# Allegro board MinnowMax_RevA1.brd (continued)
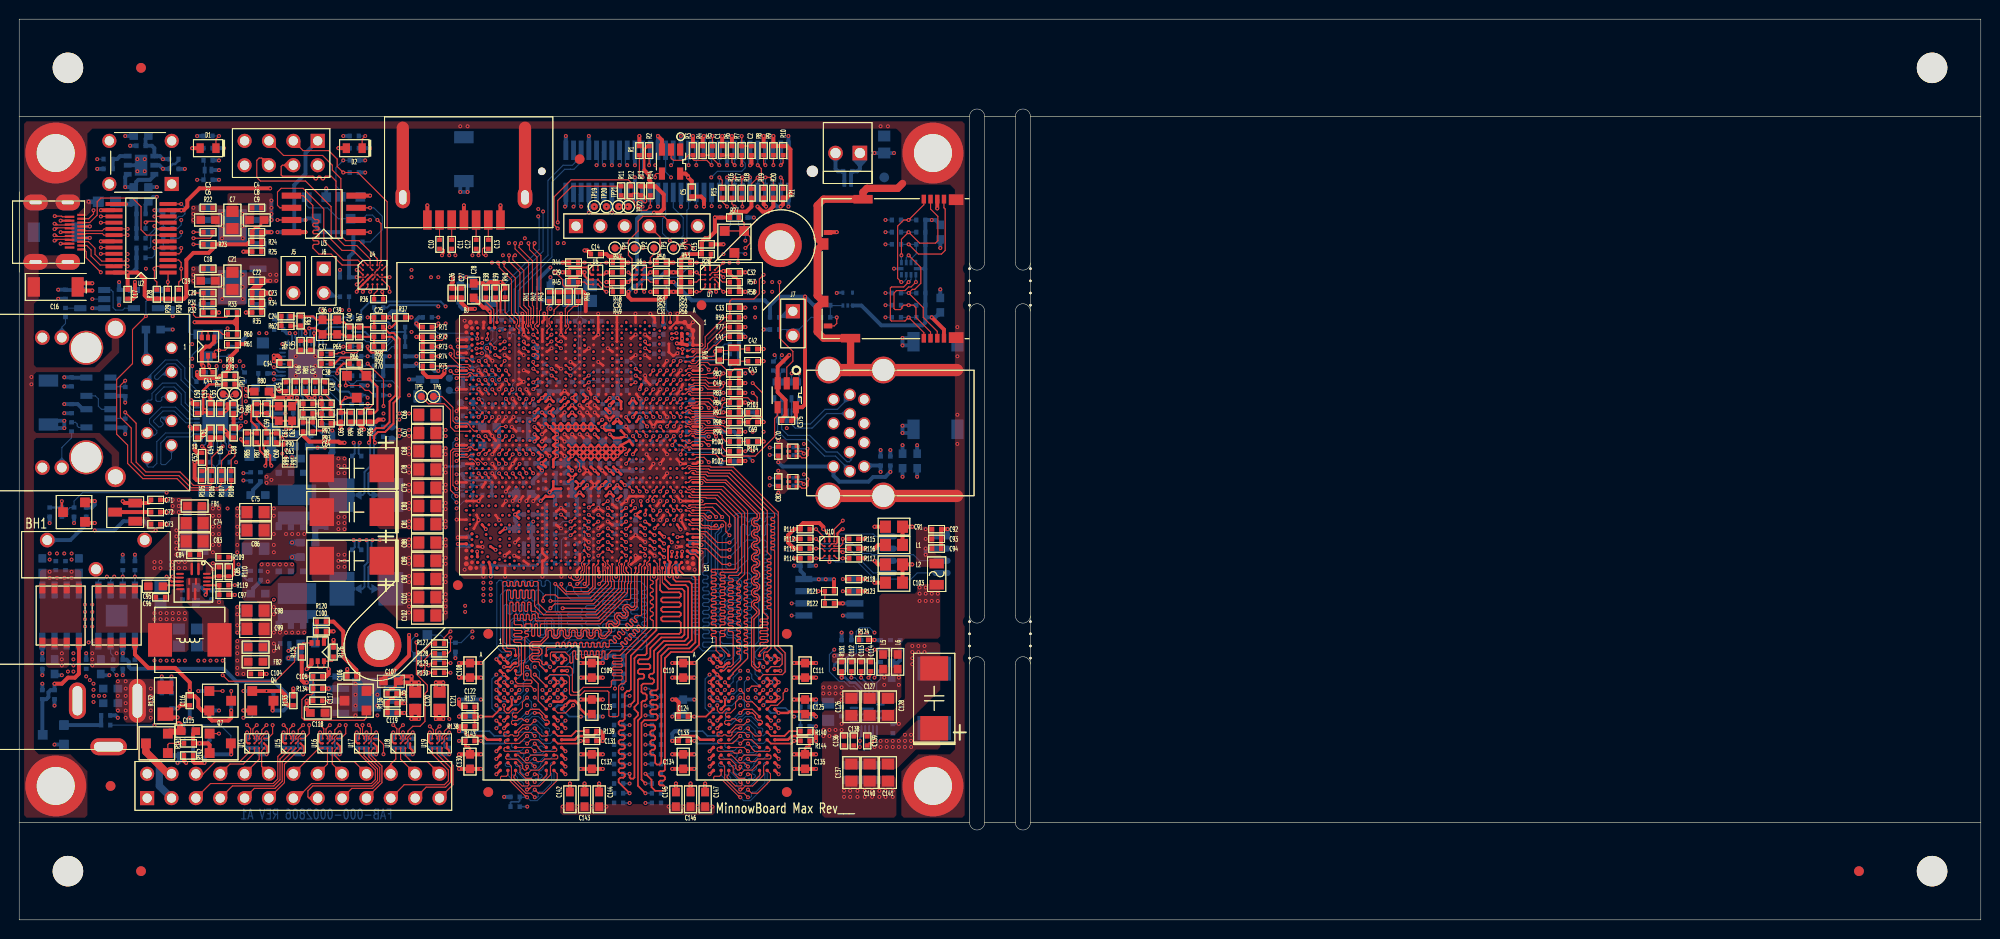
[diagram p0: board, top side]
## Routing (per net, layer and track width the routed paths; a pad name or vN(x,y) marks a point on that pad's centre or on a via; arc(x,y) is an arc through that point) (continued)
  GND2 w0.508: 15.25,60.32 J8.1 ; J8.1 16.5,59.06 ; J8.1 16.5,60.32 ; J8.1 15.25,59.06 ; 57.12,71.48 J4.1 ; J4.1 57.12,73.3 ; J4.1 58.95,71.48 ; J4.1 58.95,73.3 ; J5.2 29.27,64.71 ; J5.2 27.88,66.1 ; J5.2 27.88,64.71 ; J5.2 29.27,66.1 ; J1.2 31.81,79.44 ; J1.2 30.42,78.04 ; J1.2 30.42,79.44 ; J1.2 31.81,78.04 ; 3.13,61.47 2.41,60.76 3.13,60.04 ; J9.3 7.14,22.86 ; J9.3 6.07,24.94 ; J9.3 5,22.86 ; J9.3 6.07,20.78 ; BH1.3 8.72,37.29 ; BH1.3 7.29,35.86 ; BH1.3 7.29,37.29 ; 15.2,80.58 SW1.3 ; SW1.3 16.6,81.98 ; SW1.3 15.2,81.98 ; SW1.3 16.6,80.58 ; 84.37,80.73 J2.2 ; J2.2 85.81,79.29 ; J2.2 84.37,79.29 ; J2.2 85.81,80.73 ; 9.32,16.99 J9.2 ; J9.2 11.4,18.06 ; J9.2 7.24,18.06 ; J9.2 9.32,19.13 ; JP1.2 14.03,14.54 ; JP1.2 12.64,15.94 ; JP1.2 12.64,14.54 ; JP1.2 14.03,15.94 ; JP1.1 14.25,13.61 ; JP1.1 14.25,11.79 ; JP1.1 12.42,11.79 ; JP1.1 12.42,13.61 ; 8.7,80.58 SW1.4 ; SW1.4 10.1,81.98 ; SW1.4 10.1,80.58 ; SW1.4 8.7,81.98 ; 3.13,47.91 2.41,47.19 3.13,46.48
  INT3(V) w0.203: v1(32.38,63.63) 31.88,63.12 31.37,63.12 31.24,63.25 27.69,63.25 26.67,62.23 26.67,60.33 24.77,58.42 24.77,51.82 24.13,51.18 24.13,49.66 23.37,48.89 v1(23.37,46.61) ; v1(49.32,58.33) 48.93,58.73 48.45,58.73 48.4,58.67 48.11,58.67 48.05,58.73 47.16,58.73 46.61,59.28 46.61,61.59 44.45,63.75 v1(44.45,64.01)
  GND6 w0.508: J4.1 58.95,73.3 ; J4.1 57.12,71.48 ; J4.1 58.95,71.48 ; J4.1 57.12,73.3 ; J2.2 85.81,80.73 ; J2.2 84.37,80.73 ; J2.2 84.37,79.29 ; J2.2 85.81,79.29 ; J1.2 31.81,78.04 ; J1.2 31.81,79.44 ; J1.2 30.42,79.44 ; J1.2 30.42,78.04 ; SW1.3 16.6,81.98 ; SW1.3 15.2,80.58 ; SW1.3 16.6,80.58 ; SW1.3 15.2,81.98 ; 27.88,64.71 J5.2 ; J5.2 29.27,66.1 ; J5.2 27.88,66.1 ; J5.2 29.27,64.71 ; 8.7,80.58 SW1.4 ; SW1.4 10.1,80.58 ; SW1.4 10.1,81.98 ; SW1.4 8.7,81.98
  INT7(H) w0.203: v1(22.86,36.32) 23.75,37.21 23.75,43.94 20.82,46.88 20.82,49.77 21.21,50.17 22.1,50.17 22.73,50.8 24,50.8 25.02,51.82 34.16,51.82 36.2,53.85 v1(36.32,53.85)
  GND9 w0.508: BH1.3 8.72,37.29 ; BH1.3 7.29,37.29 ; BH1.3 7.29,35.86 ; J9.3 6.07,24.94 ; J9.3 6.07,20.78 ; J9.3 5,22.86 ; J9.3 7.14,22.86 ; J4.1 58.95,71.48 ; J4.1 57.12,73.3 ; J4.1 58.95,73.3 ; J4.1 57.12,71.48 ; 12.64,14.54 JP1.2 ; JP1.2 14.03,15.94 ; JP1.2 12.64,15.94 ; JP1.2 14.03,14.54 ; J5.2 29.27,66.1 ; J5.2 29.27,64.71 ; J5.2 27.88,64.71 ; J5.2 27.88,66.1 ; 30.42,78.04 J1.2 ; J1.2 31.81,78.04 ; J1.2 31.81,79.44 ; J1.2 30.42,79.44 ; 15.2,80.58 SW1.3 ; SW1.3 16.6,80.58 ; SW1.3 15.2,81.98 ; SW1.3 16.6,81.98 ; JP1.1 14.25,11.79 ; JP1.1 12.42,13.61 ; JP1.1 14.25,13.61 ; JP1.1 12.42,11.79 ; 3.13,60.04 2.41,60.76 3.13,61.47 ; J9.2 9.32,19.13 ; J9.2 9.32,16.99 ; J9.2 7.24,18.06 ; J9.2 11.4,18.06 ; J8.1 16.5,60.32 ; J8.1 16.5,59.06 ; J8.1 15.25,59.06 ; J8.1 15.25,60.32 ; 84.37,80.73 J2.2 ; J2.2 84.37,79.29 ; J2.2 85.81,80.73 ; J2.2 85.81,79.29 ; 3.13,46.48 2.41,47.19 3.13,47.91 ; SW1.4 10.1,81.98 ; SW1.4 8.7,81.98 ; SW1.4 10.1,80.58 ; SW1.4 8.7,80.58
  BOTTOM w0.152: MEM4.G8 MEM1.G1 ; MEM3.G8 MEM2.G1
  BOTTOM w0.203: R199.1 35.65,63.59 36.58,64.52 43.94,64.52 v1(44.45,64.01) ; v1(36.32,53.85) 36.32,53.09 36.1,52.87 R244.1 ; v1(23.37,46.61) 24.04,46.61 R272.1 ; R258.1 v1(45.59,49.53) ; v1(22.86,36.32) 23.72,35.47 R287.1 ; R202.1 32.38,62.96 v1(32.38,63.63) ; MEM3.B3 77.56,26.39 v1(77.57,26.39)
  BOTTOM w0.254: v1(91.69,20.45) 91.09,20.45 C342.1 ; MEM1.G9 v1(56.94,23.19) ; U23.4 85.26,65.45 v1(85.22,65.41) ; MEM1.P9 v1(56.94,16.79) ; MEM4.A9 50.14,27.59 v1(49.74,27.19) MEM1.B1 ; C133.2 68.74,18.83 69.09,19.18 70.61,19.18 71,18.79 MEM2.M1 ; C260.2 60.42,43.03 v1(60.36,42.98) ; MEM2.P9 78.77,17.19 v1(79.17,16.79) ; MEM2.E2 v1(72.76,24.79) MEM3.D8 ; MEM1.B9 v1(56.94,27.19) ; MEM3.D1 v1(78.37,24.79) ; v1(78.37,24.79) 78.76,24.39 MEM3.E1 ; v1(78.37,24.79) MEM2.E8 ; MEM1.T9 v1(56.94,15.19) ; v1(49.74,15.19) MEM1.T1 ; MEM4.F9 v1(49.74,23.19) MEM1.G1 ; R225.1 v1(38.61,55.75) ; MEM3.A9 72.36,27.59 v1(71.96,27.19) MEM2.B1 ; R238.2 70.99,50.93 71.12,51.05 v1(71.12,51.46) ; MEM1.J2 v1(50.54,20.79) ; v1(71.96,15.19) 72.36,15.59 MEM2.T1 ; MEM1.E2 v1(50.54,24.79) 50.94,25.19 MEM4.D8 ; U22.5 v1(91.19,67.94) ; MEM1.M9 57.91,18.79 58.29,19.18 59.82,19.18 60.16,18.83 C131.2 ; MEM1.J8 v1(56.14,20.79) ; v1(44.45,47.31) 46.07,47.31 R260.2 ; MEM2.B9 v1(79.17,27.19) ; v1(79.17,15.19) 78.77,15.59 MEM2.T9 ; MEM2.J8 v1(78.37,20.79) ; MEM2.P1 v1(71.96,16.79) ; MEM3.F9 71.97,23.19 v1(71.96,23.19) MEM2.G1 ; MEM1.M1 48.77,18.79 48.39,19.18 46.86,19.18 46.52,18.83 R333.1 ; v1(56.14,24.79) 56.54,24.39 MEM4.E1 ; v1(56.14,24.79) MEM4.D1 ; v1(56.14,24.79) MEM1.E8 ; v1(55.34,26.39) 55.34,26.39 MEM4.B3 ; MEM2.G9 v1(79.17,23.19) ; MEM2.J2 v1(72.76,20.79) ; v1(49.74,16.79) MEM1.P1 ; MEM2.M9 80.13,18.79 80.52,19.18 82.04,19.18 82.39,18.83 R326.1
  BOTTOM w0.381: C293.2 48.29,35.91 v1(48.39,35.81) ; C288.2 71.09,38.39 v1(71.12,38.35) ; C289.2 68.55,35.85 v1(68.58,35.81) ; C171.2 66.2,62.83 v1(65.79,63.25) ; C277.2 45.79,39.97 v1(45.72,39.9) ; v1(45.72,60.53) 45.86,60.67 C181.2
  BOTTOM w0.406: v1(64.25,40.13) 64.26,40.14 C271.1 ; J10.60 v1(80.18,81.79) ; U33.4 v1(85.85,31.75) ; C242.1 57.02,47.62 57.02,48.22 v1(56.85,48.39) ; C146.2 v1(69.98,14.22) ; C239.1 60.55,47.1 v1(60.77,46.88) ; C213.1 64.86,54.19 v1(64.68,54.37) ; C311.1 28.16,28.16 v1(28.07,28.07) ; C143.2 v1(58.93,14.22) ; J10.13 v1(61.78,73.79) ; v1(25.78,17.27) 25.02,17.27 24.77,17.53 C356.1 C357.1 ; v1(56.98,81.79) J10.2 ; C133.2 v1(68.07,18.67) 68.07,19.43 68.33,19.69 R327.2 ; C367.1 18.13,17.43 R141.1 v1(18.8,18.41) 19.56,18.41 19.85,18.71 Q12.S ; C256.2 63.21,43.74 v1(63.26,43.69) ; v1(56.85,52.94) 56.8,52.89 C219.2 ; R154.2 13.17,74.64 C157.2 13.97,75.44 v1(14.35,75.44) ; Q14.S v1(3.68,18.29) ; v1(29.59,17.27) 28.83,17.27 28.57,17.53 C354.1 C355.1 ; C216.2 63.22,51.44 v1(63.26,51.47) 63.3,51.44 C214.1 ; v1(11.05,53.97) C209.1 11.02,54.68 U28.3 ; v1(60.83,15.75) C132.2 v1(58.55,15.75) ; v1(11.05,50.67) C231.1 11.02,51.37 U30.3 ; v1(89.15,80.01) R145.2 v1(91.19,80.01) ; C118.2 29.97,21.97 v1(29.97,22.33) v1(29.97,22.86) ; v1(45.85,15.75) C130.2 v1(48.13,15.75) ; v1(33.4,17.27) 32.64,17.27 32.38,17.53 C352.1 C353.1 ; C162.1 v1(96.01,65.79) ; v1(34.42,51.18) 34.64,51.4 R246.1 36.32,51.82 36.7,51.44 R243.2 R261.2 ; J10.49 v1(76.18,77.47) ; v1(43.43,24.77) 43.43,24.13 C121.2 44.2,24.13 v1(44.2,24.77) ; v1(75.69,61.85) 75.31,61.85 75.02,61.56 R185.1 ; v1(50.16,66.55) 49.4,66.55 C164.1 ; C184.1 40.23,63.28 40.01,63.5 38.86,63.5 38.61,63.25 v1(38.61,62.86) C25.1 ; C337.1 v1(15.88,25.4) ; C144.2 v1(60.45,14.22) ; v1(54.5,49.91) 54.59,50 C243.1 ; C258.2 60.42,45.79 v1(59.99,45.36) 60.42,44.93 C259.2 ; v1(83.06,26.8) C111.2 v1(80.77,26.8) ; R309.2 v1(2.41,25.53) ; D7.N 86.01,77.98 C153.2 85.34,78.1 85.09,78.36 J2.2 ; v1(56.9,74.42) 56.98,74.51 J10.1 ; R189.1 45.72,59.09 v1(45.72,59.11) ; C351.1 C350.1 36.2,17.53 36.45,17.27 v1(37.21,17.27) ; J10.14 v1(61.78,78.74) ; v1(76.18,78.74) J10.50 ; v1(55.37,68.07) 54.1,66.8 C163.2 ; C142.2 v1(57.4,14.22) ; v1(75.69,60.83) 75.44,61.09 R185.1 ; R332.2 v1(45.85,19.69) ; v1(4.45,25.53) 3.81,25.53 C326.1 ; R185.1 R186.1 R187.1 R208.2 ; C341.1 v1(2.41,24.64) ; v1(45.85,26.8) C108.2 v1(48.13,26.8) ; v1(45.85,18.67) R333.1 ; v1(41.02,17.27) 40.26,17.27 40.01,17.53 C348.1 C349.1 ; C221.2 54.77,51.7 v1(54.5,51.43) ; U33.3 v1(85.85,33.02) ; C149.2 v1(36.58,80.52) ; C203.1 v1(36.32,55.75) ; C145.2 v1(68.45,14.22) ; R273.1 R274.1 C275.2 R282.2 ; R273.1 C264.2 ; R273.1 C276.1 ; v1(41.4,60.83) R72.2 R73.1 R74.1 v1(41.4,58.8) R195.1 ; C320.2 61.21,27.56 60.83,27.18 v1(60.83,26.8) C109.2 v1(58.55,26.8) ; C230.2 26.23,52.83 v1(27.75,52.83) ; v1(10.29,21.08) 10.03,21.34 C340.2 ; C323.1 v1(10.79,25.53) ; v1(44.83,17.27) 44.07,17.27 43.81,17.53 C346.1 C347.1 ; v1(68.07,22.99) C330.2 v1(70.36,22.99) ; v1(71.37,81.79) 71.38,81.78 J10.38 ; C287.1 v1(83.06,36.96) ; C250.2 C251.2 30.35,49.28 v1(31.11,49.28) v1(31.88,49.28) ; C200.2 41.66,57.78 v1(41.4,58.04) 41.15,57.78 C202.1 ; C150.2 v1(21.34,80.52) ; C286.1 v1(3.17,41.4) ; C147.2 v1(71.5,14.22) ; U26.3 v1(7.62,63.82) ; R146.1 v1(33.78,81.79) ; C291.1 C292.1 ; Q11.S v1(18.67,23.88) ; R220.1 R221.1 45.77,55.5 v1(45.62,55.35) ; C263.2 C262.2 ; C329.2 82.8,22.23 83.06,22.48 v1(83.06,22.99) ; C151.1 v1(11.05,81.79) ; v1(77.6,51.94) 76.58,52.96 R234.2 R233.2 ; v1(7.37,72.35) 6.5,72.35 6.1,71.95 C161.1 6.1,71.56 6.5,71.16 v1(7.37,71.16) ; C159.1 v1(96.01,70.1) ; FB12.1 v1(85.72,29.97) ; C158.1 v1(8.13,78.36) ; Q10.S v1(23.37,23.88) ; U25.3 15.97,63.82 C166.1 v1(16,62.99) ; v1(9.4,25.53) 8.64,25.53 C324.1 ; C154.1 v1(20.83,77.22) ; U20.2 U20.7 ; C155.1 14.64,74.04 v1(14.1,74.04) ; J10.59 v1(80.18,74.42) ; FB10.2 v1(92.08,46.23) ; v1(56.85,49.91) 57.66,49.91 C240.1 57.64,49.93 v1(57.64,50.67) ; C73.2 v1(15.37,41.27) ; C285.1 v1(5.71,41.4) ; R148.1 v1(18.54,81.79) ; C160.1 v1(26.92,71.75) ; C156.1 v1(14.35,76.45) ; v1(48.13,22.99) C333.2 v1(45.85,22.99) ; FB9.2 v1(93.6,46.23) ; R184.1 v1(77.6,61.59) ; C168.1 v1(4.06,64.8) ; v1(68.07,26.8) C110.2 v1(70.36,26.8) ; v1(80.77,15.75) C135.2 v1(83.06,15.75) ; C165.1 v1(33.43,67.82) ; J10.26 v1(66.58,81.79) ; C210.1 v1(4.7,55.66) ; v1(96.77,40.77) 96.77,40.28 96.49,40 96.14,40 ; R325.1 v1(83.06,20.19) ; J10.25 v1(66.58,74.42) ; C338.1 v1(16.51,22.06) ; v1(83.06,18.67) R326.1 ; v1(70.36,15.75) C134.2 v1(68.07,15.75) ; C332.2 v1(60.83,21.21) ; R153.2 v1(17.27,78.36) ; C232.1 v1(4.7,52.87) ; v1(54.53,35.81) 54.9,36.18 R284.1 ; C167.1 v1(10.41,64.14) ; J10.37 v1(71.38,74.43) ; D9.N v1(20.83,78.23) ; C374.1 v1(50.55,12.83) ; C339.1 v1(14.86,25.4) ; v1(60.83,18.67) C131.2 ; 92.84,60.71 C169.1 92.84,59.94 v1(92.08,59.94) v1(92.08,60.71) 92.84,60.71 ; 45.97,76.71 C148.2 46.74,76.71 v1(46.74,75.95) v1(45.97,75.95) 45.97,76.71 ; 3.43,52.07 C233.1 3.43,51.31 v1(4.7,51.31) v1(4.7,52.07) 3.43,52.07
  BOTTOM w0.508: 51.19,44.45 C267.2 ; C267.2 51.82,45.03 ; C267.2 51.82,43.87
  vias: v1(3.17,38.23) v1(3.17,37.59) v1(3.94,38.23) v1(4.7,38.23) v1(5.46,38.23) v1(5.46,37.59) v1(6.86,32.89) v1(6.86,32.13) v1(6.86,31.37) v1(6.86,30.61) v1(7.62,32.89) v1(7.62,32.13) v1(7.62,31.37) v1(7.62,30.61) v1(11.3,69.47) v1(12.32,79.38) v1(12.32,78.1) v1(13.08,79.38) v1(13.08,78.1) v1(14.1,37.34) v1(14.1,36.7) v1(14.1,27.05) v1(14.73,37.34) v1(14.73,36.7) v1(14.73,27.05) v1(15.37,27.05) v1(16,37.34) v1(16,36.7) v1(16,27.05) v1(16.38,40.64) v1(16.38,40) v1(16.38,39.37) v1(16.38,38.73) v1(16.38,38.1) v1(16.64,37.34) v1(16.64,36.7) v1(16.64,27.05) v1(17.27,37.34) v1(17.27,36.7) v1(17.27,27.05) v1(18.67,27.05) v1(19.3,27.05) v1(19.94,27.05) v1(20.19,37.21) v1(20.19,36.58) v1(20.57,27.05) v1(20.95,58.29) v1(21.15,73.66) v1(21.15,72.39) v1(21.15,71.12) v1(21.15,67.31) v1(21.15,66.04) v1(21.15,64.77) v1(21.21,27.05) v1(22.61,47.75) v1(22.73,42.93) v1(22.73,42.16) v1(22.73,41.02) v1(22.73,40.26) v1(22.73,39.12) v1(22.73,38.35) v1(22.73,32.64) v1(22.73,31.88) v1(22.73,30.73) v1(22.73,29.97) v1(22.99,58.29) v1(23.3,73.66) v1(23.3,72.39) v1(23.3,71.12) v1(23.3,67.31) v1(23.3,66.04) v1(23.3,64.77) v1(25.27,37.08) v1(25.78,46.23) v1(25.78,45.59) v1(25.91,37.08) v1(25.91,36.32) v1(25.91,35.31) v1(26.29,45.91) v1(26.54,37.08) v1(27.18,37.08) v1(27.81,47.37) v1(27.81,37.08) v1(28.45,47.37) v1(28.45,37.08) v1(28.83,58.8) v1(28.83,57.78) v1(28.83,56.77) v1(30.86,58.8) v1(30.86,57.78) v1(30.86,56.77) v1(33.27,48.13) v1(33.27,47.37) v1(33.27,46.61) v1(33.27,42.04) v1(33.27,41.4) v1(33.27,40.77) v1(33.27,38.1) v1(33.27,37.47) v1(33.27,36.83) v1(33.91,48.13) v1(33.91,47.37) v1(33.91,46.61) v1(33.91,42.04) v1(33.91,41.4) v1(33.91,40.77) v1(33.91,38.1) v1(33.91,37.47) v1(33.91,36.83) v1(40.64,54.74) v1(40.64,52.83) v1(40.64,51.12) v1(44.45,49.21) v1(44.45,48.58) v1(44.45,46.67) v1(44.45,45.4) v1(44.45,44.77) v1(44.45,43.5) v1(44.45,42.86) v1(44.45,41.59) v1(44.45,40.96) v1(44.45,39.69) v1(44.45,39.05) v1(44.45,37.78) v1(44.45,37.15) v1(44.45,35.88) v1(44.45,35.24) v1(44.45,33.97) v1(44.45,33.34) v1(44.45,32.7) v1(44.45,32.07) v1(45.47,69.34) v1(46.43,62.52) v1(46.43,36.54) v1(47.24,69.34) v1(49.28,68.58) v1(50.42,69.34) v1(51.05,70.61) v1(52.7,71.12) v1(54.1,74.17) v1(70.41,36.54) v1(79.12,50.04) v1(79.12,46.86) v1(80.01,51.31) v1(81.79,49.66) v1(81.79,46.48) v1(83.82,19.81) v1(83.82,19.18) v1(84.45,19.81) v1(84.45,19.18) v1(85.09,19.81) v1(85.09,19.18) v1(85.72,20.45) v1(85.72,19.81) v1(85.98,13.46) v1(85.98,12.83) v1(86.61,13.46) v1(86.61,12.83) v1(87.38,13.46) v1(87.38,12.83) v1(88.14,13.46) v1(88.14,12.83) v1(88.9,13.46) v1(88.9,12.83) v1(89.66,13.46) v1(89.66,12.83) v1(90.3,13.46) v1(90.3,12.83) v1(91.06,13.46) v1(91.06,12.83) v1(93.09,28.57) v1(93.09,27.94) v1(93.09,27.3) v1(93.09,26.67) v1(93.73,28.57) v1(93.73,27.94) v1(94.36,28.57) v1(94.36,27.94)
GND_EARTH: length 99.4
  TOP w0.762: 86.61,57.37 86.66,57.42 P2.11 83.85,60.7 83.19,61.36 83.19,63.9 P2.15 83.19,65.14 83.19,69.9 P2.16 83.19,71.14 83.19,74.53 83.85,75.19 P2.12 87.96,75.92 88.37,76.33 91.57,76.33 92.08,76.83
  TOP w1.27: 97.76,44.23 USB1.MH2 USB1.MH1 ; 97.76,57.37 USB1.MH3 USB1.MH4 ; 39.98,75.38 39.98,82.66 ; 52.73,75.38 52.73,82.66
  BOTTOM w1.27: USB1.MH4 USB1.MH3 97.7,57.37 ; USB1.MH1 USB1.MH2 97.63,44.23
  vias: v1(1.27,56.64) v1(1.27,55.88) v1(45.97,82.8) v1(46.74,82.8) v1(89.79,82.8) v1(90.55,82.8) v1(97.79,61.85) v1(97.79,58.8) v1(97.79,52.7) v1(97.79,49.66)
V1P0S_PG: length 2.6
  TOP w0.406: R134.1 v1(32.26,24.13)
  BOTTOM w0.508: v1(32.26,24.13) R134.1
  BOTTOM w0.635: U38.7 v1(32.26,24.13)
VBUS1: length 23.1
  TOP w0.406: v1(93.09,41.02) C91.2 L1.2
  INT7(H) w0.406: USB1.1 88.08,46.33 87.59,45.85 83.44,45.85 82.17,44.58 v1(79.12,44.58)
  INT8(V) w0.406: v1(89.79,46.74) 93.09,43.43 v1(93.09,41.02)
  BOTTOM w0.406: v1(89.79,46.74) C235.2 88.18,47.4 USB1.1
VBUS2: length 28.3
  TOP w0.406: C103.2 L2.2 v1(93.09,37.08)
  INT8(V) w0.406: v1(93.09,37.08) 93.85,37.85 93.85,43.69 v1(90.81,46.74)
  BOTTOM w0.406: v1(79.12,47.75) 79.57,47.3 USB1.10 84.88,46.33 85.49,45.72 88.52,45.72 89.01,46.22 90.28,46.22 v1(90.81,46.74) C234.2
VCC_CRT_V1P35: length 6.2
  TOP w0.254: CPU1.BD1 49.13,63.4 v1(49.02,63.5)
  TOP w0.406: v1(49.02,63.5) 48.64,63.88 48.39,63.88 C28.2
  BOTTOM w0.406: v1(49.02,63.5) 49.02,64.39 C164.2 49.02,64.64 FB4.2
VCC_DRAM: length 25.2
  TOP w0.254: CPU1.AA36 60.39,44.98 60.55,45.14 v1(60.77,45.36) CPU1.Y35 ; CPU1.AJ36 CPU1.AK36 ; CPU1.AK36 CPU1.AK35 ; CPU1.AK36 v1(55.28,44.6) ; CPU1.Y36 v1(61.56,45.36) ; CPU1.AD35 v1(58.43,45.37) ; v1(58.43,45.37) CPU1.AF36 ; v1(58.43,45.37) CPU1.AF35
  INT4(H) w0.406: v1(55.28,44.6) 57.66,44.6 v1(58.43,45.37) 58.96,44.83 60.24,44.83 v1(60.77,45.36) v1(61.56,45.36)
  INT7(H) w0.406: v1(55.28,44.6) 57.66,44.6 v1(58.43,45.37) 58.96,44.83 60.24,44.83 v1(60.77,45.36) v1(61.56,45.36)
  BOTTOM w0.406: C264.1 55.85,44.16 R265.2 55.43,44.45 v1(55.28,44.6) 54.89,44.99 C265.1 ; v1(60.77,45.36) v1(61.56,45.36) 61.5,45.42 C257.1 ; v1(58.43,45.37) 59.16,46.1 C258.1
VCC_ICLK_V1P35: length 6.6
  TOP w0.254: CPU1.AG18 56.86,53.7 v1(56.85,53.7) CPU1.AJ19
  TOP w0.406: C26.2 C27.2 46.1,64.39 46.74,63.75 v1(47.5,63.75)
  BOTTOM w0.406: v1(47.5,63.75) 46.23,63.75 45.97,64.01 FB5.2
VCC_SENSE: length 36.4
  TOP w0.203: CPU1.P28 v1(63.26,48.58) ; v1(31.88,51.05) 30.7,51.05 R91.1
  INT7(H) w0.203: v1(31.88,51.05) 31.94,51.05 32.43,50.57 32.98,50.57 33.05,50.65 37.56,50.65 38.14,50.06 41.32,50.06 43.22,48.16 44.73,48.16 45.49,47.4 46.33,47.4 47.62,46.1 54.99,46.1 56.79,47.9 62.41,47.9 63.08,48.58 v1(63.26,48.58)
VCC_SENSE_R: length 3.9
  TOP w0.203: C64.1 R93.2 C63.2 30.61,52.8 R91.2 R89.1
VCC_UNCORE_V1P35: length 34.2
  TOP w0.254: CPU1.AG32 v1(57.64,46.88) ; CPU1.V36 v1(62.34,45.36) CPU1.U36 ; v1(59.2,45.36) CPU1.AD36 ; CPU1.AF19 v1(57.64,53.7) CPU1.AG19 ; CPU1.AA25 v1(59.99,50.67)
  INT3(V) w0.406: v1(55.37,63.75) 55.37,63.25 58.17,60.45 58.17,54.23 v1(57.64,53.7)
  INT7(H) w0.406: v1(57.64,53.7) 58.17,54.23 58.17,60.45 55.37,63.25 v1(55.37,63.75)
  BOTTOM w0.254: v1(57.64,53.7) 58.14,54.21 58.14,54.67 C197.1
  BOTTOM w0.406: v1(62.34,45.36) 62.26,45.28 C256.1 ; C163.1 54.39,64.64 FB3.2 v1(55.37,63.75) ; C260.1 C259.1 59.2,44.97 v1(59.2,45.36) ; C262.1 57.13,46.88 v1(57.64,46.88)
VCC_VIS_V1P0: length 6.6
  TOP w0.254: CPU1.AG21 v1(57.64,52.94) CPU1.AF21 ; CPU1.AN30 v1(54.51,48.39) CPU1.AN29 ; CPU1.V24 61.9,51.1 61.22,51.1 CPU1.Y24 v1(60.77,51.43) CPU1.Y22
  BOTTOM w0.406: C246.1 53.74,49.15 v1(54.51,48.39) ; C216.1 60.78,51.44 v1(60.77,51.43)
  vias: v1(44.45,51.12) v1(44.45,50.48)
VCC_VSS_V1P2: length 2
  TOP w0.254: CPU1.AD18 v1(59.2,54.46) 58.83,54.82 CPU1.AD16
  BOTTOM w0.406: R216.1 58.67,54.99 v1(59.2,54.46)
VCCGT_SENSE: length 17.4
  TOP w0.203: v1(49.62,58.93) CPU1.BB8
  INT3(V) w0.203: v1(49.62,58.93) 49.77,58.78 49.77,58.12 49.56,57.91 47.37,57.91 46.23,59.06 46.23,61.47 v1(43.69,64.01)
  BOTTOM w0.203: v1(43.69,64.01) 43.56,64.14 38.61,64.14 38.35,63.88 R178.1
VCCGT_SENSE_R: length 6.9
  TOP w0.203: v1(38.61,61.85) 38.85,61.85 39.28,62.28 R37.1
  BOTTOM w0.203: 36.99,62.36 C187.2 R200.2 ; 36.99,62.36 38.48,62.36 38.61,62.23 v1(38.61,61.85) ; 36.99,62.36 C186.1 R178.2
VDD1.0: length 9.7
  TOP w0.406: C50.1 18.11,53.81 17.91,54.02 v1(17.91,54.23) ; v1(19.81,49.4) 19.94,49.53 C54.1 C56.1 ; v1(23.11,51.56) 22.83,51.27 C58.1 C57.1 ; v1(17.78,51.47) 17.98,51.27 C51.1
  BOTTOM w0.203: v1(23.11,51.56) 23.02,51.47 LAN1.22 ; LAN1.30 19.85,49.44 v1(19.81,49.4) ; LAN1.3 v1(17.78,51.47) ; v1(17.91,54.23) 18.16,54.23 18.52,53.87 LAN1.8
  vias: v1(27.43,48.64) v1(27.81,49.02) v1(27.81,48.26)
VSS_SENSE: length 38.9
  TOP w0.203: CPU1.N28 v1(63.97,48.58)
  INT7(H) w0.203: v1(63.97,48.58) 63.53,48.13 63.21,48.13 62.58,47.5 56.96,47.5 55.16,45.69 47.46,45.69 46.16,46.99 45.32,46.99 44.56,47.75 43.05,47.75 41.15,49.66 37.97,49.66 37.39,50.24 33.22,50.24 33.15,50.17 32.13,50.17 v1(31.88,50.42)
  BOTTOM w0.203: R248.1 30.61,51.69 v1(31.88,50.42)
1P0V_EN: length 1.9
  BOTTOM w0.114: U38.8 R306.2
1P5V_EN_B: length 3.3
  TOP w0.114: R126.2 32.77,27.12 32.64,26.99 Q3.6 31.77,26.43 31.62,26.29 31.24,26.29 31.11,26.42 Q3.5
1P8V_EN: length 61.8
  TOP w0.114: Q3.3 29.58,28.89 29.46,28.78 R125.2 28.92,28.41 28.7,28.19 28.7,26.92 26.67,24.89 21.84,24.89 v1(21.21,25.53) ; R22.1 20.16,71.34 19.94,71.12 v1(18.16,71.12)
  INT3(V) w0.102: v1(18.16,71.12) 20.19,69.09 20.19,56.39 20.83,55.75 20.83,48.77 21.27,48.32 21.27,28.13 21.59,27.81 21.59,25.91 v1(21.21,25.53)
1P35V_EN: length 12.8
  TOP w0.114: C105.2 R134.2 30.64,23.66 30.48,23.5 29.97,23.5 29.46,22.99 29.46,21.08 29.72,20.83 35.94,20.83 36.2,21.08 Q5.G
1P35V_PWG: length 2.3
  TOP w0.114: Q3.2 31.11,29.46 31.02,29.56 C100.2 R120.2
+CG_VIN: length 0.8
  TOP w0.406: C45.1 27.14,55.15 v1(27.05,55.25)
+CORE_VCCP: length 3.7
  TOP w0.406: v1(26.54,58.29) 26.96,58.29 C34.2 27.21,58.64 26.99,58.86 v1(26.54,58.86) v1(26.54,58.29)
  BOTTOM w0.203: U27.26 26.85,57.98 v1(26.54,58.29)
+CORE_VDD: length 5
  TOP w0.406: R80.1 26.67,54.48 v1(27.81,54.48) v1(28.38,54.48) 28.38,54.71 C46.2
  BOTTOM w0.203: v1(28.38,54.48) 28.38,54.55 28.44,54.61 U27.19
  BOTTOM w0.406: v1(28.38,54.48) v1(27.81,54.48)
+HDMI_CRT_VCC: length 7.3
  TOP w0.406: v1(11.1,74.68) 11.08,74.7 U2.13
  BOTTOM w0.406: R170.2 R169.2 R154.1 12.23,74.64 C157.1
  BOTTOM w0.508: L7.1 10.3,74.68 v1(11.1,74.68) 11.68,74.68 C157.1
+PS_3VSB: length 60.7
  TOP w0.203: U19.A2 42.88,18.41 42.67,18.62 42.67,19.43 v1(42.8,19.56)
  TOP w0.406: R33.1 22.7,62.36 ; 22.7,62.36 R60.1 ; 22.7,62.36 v1(18.29,62.36) ; D5.1 6.99,41.4 v1(7.87,41.4)
  INT3(V) w0.406: v1(14.1,31.37) 13.59,30.86 13.59,25.91 15.37,24.13 15.37,18.16 16.13,17.4 20.32,17.4 21.21,16.51 42.04,16.51 42.8,17.27 v1(42.8,19.56)
  BOTTOM w0.406: R289.2 v1(10.79,38.1) ; U20.6 14.09,77.66 13.64,77.22 12.41,77.22 12.19,77 12.19,76.71 C156.2 v1(11.05,76.45) 11.05,77.52 U20.1 ; C347.2 v1(42.8,19.56)
  vias: v1(14.1,32) v1(14.73,32) v1(14.73,31.37) v1(15.37,32) v1(15.37,31.37) v1(16,32) v1(16,31.37) v1(16.64,32) v1(16.64,31.37) v1(17.27,32) v1(17.27,31.37) v1(18.15,73.03) v1(18.15,66.67) v1(18.16,74.3) v1(18.16,73.66) v1(18.16,67.94) v1(18.16,67.31)
+PS_3VSB_PG: length 21.5
  TOP w0.114: U13.4 16.11,35.71 v1(16,35.81) ; v1(21.21,23.88) D6.1 ; R119.1 v1(22.48,34.92)
  INT3(V) w0.102: v1(21.21,23.88) 22.1,24.77 22.1,28.19 21.84,28.45 21.84,34.29 v1(22.48,34.92)
  INT7(H) w0.102: v1(22.48,34.92) 16.89,34.92 v1(16,35.81)
+PS_5VSB: length 24.9
  TOP w0.406: D1.2 v1(18.03,80.52)
  BOTTOM w0.406: R288.2 v1(12.06,38.1) ; R321.2 28.1,23.33 26.54,24.89 22.61,24.89 21.3,26.2 R307.2 11.65,26.2 11.43,26.42 11.43,26.92 11.21,27.14 C323.2 v1(10.79,27.81) ; v1(18.03,80.52) C150.1 ; R149.2 v1(20.83,79.25)
  BOTTOM w0.508: v1(10.79,27.81) U35.2
  vias: v1(3.17,36.32) v1(3.17,35.69) v1(3.94,35.69) v1(4.7,35.69) v1(5.46,36.32) v1(5.46,35.69) v1(14.22,40.64) v1(16,43.81) v1(16,43.18) v1(16,42.55) v1(16.64,43.81) v1(16.64,43.18) v1(16.64,42.55)
+RTCVCC: length 124.5
  TOP w0.254: D5.3 4.45,42.67 v1(4.45,43.69) ; CPU1.P22 v1(63.26,52.46) ; R7.2 v1(75.31,78.74)
  INT7(H) w0.254: v1(63.26,52.46) 62.61,51.81 62.61,50.17 63.12,49.66 63.75,49.66 64.52,48.89 64.52,47.5 62.82,45.8 58.25,45.8 57.55,45.11 46.89,45.11 46.1,44.32 46.1,42.67 45.72,42.29 45.47,42.29 45.09,41.91 45.09,37.08 44.58,36.58 40.39,36.58 39.62,35.81 22.48,35.81 20.45,37.85 19.94,37.85 15.75,42.04 6.1,42.04 v1(4.45,43.69) ; v1(66.29,78.74) 66.8,79.25 74.8,79.25 v1(75.31,78.74)
  INT8(V) w0.254: v1(63.26,52.46) 63.26,63.01 64.9,64.64 65.66,64.64 66.29,65.28 66.29,71.63 66.67,72.01 66.67,73.53 67.06,73.91 67.06,75.69 66.8,75.95 66.8,78.23 v1(66.29,78.74)
  BOTTOM w0.254: v1(4.45,43.69) R279.1 C286.2 ; v1(63.26,52.46) 63.69,52.9 65.72,52.9 65.95,53.12 C212.2
+USBVCC: length 11
  TOP w0.203: v1(83.82,40.77) 84.45,40.13 U10.A2
  TOP w0.406: v1(83.82,40.77) 83.82,41 83.42,41.4 81.72,41.4 81.44,41.12 R111.2 80.77,40.77 80.14,40.13 80.14,39.37 80.77,38.73 R113.2
  BOTTOM w0.406: v1(94.49,38.1) v1(94.49,38.73) U32.2
  vias: v1(94.49,40.77) v1(94.49,39.75)
+VCORE: length 69
  TOP w0.254: v1(59.2,48.39) CPU1.AD29 ; v1(59.2,48.39) CPU1.AC29 ; v1(59.2,48.39) CPU1.AC30 v1(59.99,48.39) ; v1(59.2,48.39) CPU1.AD30 v1(58.42,48.39) ; CPU1.AD29 v1(58.42,48.39) ; CPU1.AD29 v1(58.42,49.15) ; CPU1.AD29 v1(59.2,49.15) ; v1(62.34,48.39) CPU1.V29 ; v1(62.34,48.39) CPU1.U29 ; v1(62.34,48.39) CPU1.V30 v1(61.56,48.39) ; CPU1.V29 v1(62.34,49.15) ; CPU1.V29 v1(61.56,49.15) ; CPU1.V29 v1(61.56,48.39) ; v1(57.64,49.15) CPU1.AF29 ; v1(57.64,49.15) CPU1.AF27 v1(58.42,49.15) ; v1(57.64,49.15) CPU1.AG27 ; v1(57.64,49.15) CPU1.AG29 v1(57.64,48.39) ; CPU1.AF29 v1(57.64,48.39) ; CPU1.AF29 v1(58.42,48.39) ; CPU1.AF29 v1(58.42,49.15) ; CPU1.AC29 59.98,48.39 v1(59.99,48.39) ; CPU1.AC29 v1(59.99,49.15) ; CPU1.AC29 v1(59.2,49.15) ; v1(57.64,48.39) CPU1.AG30 ; v1(61.56,49.15) CPU1.Y27 v1(60.77,49.15) ; v1(61.56,49.15) CPU1.Y29 ; v1(61.56,49.15) CPU1.V27 v1(62.34,49.15) ; CPU1.U27 v1(63.13,49.14) CPU1.U29 ; CPU1.U27 CPU1.P26 CPU1.P27 ; CPU1.U27 v1(62.34,49.15) ; v1(59.99,48.39) CPU1.AA30 v1(60.77,48.39) ; v1(59.99,48.39) CPU1.AA29 ; v1(60.77,48.39) CPU1.Y29 ; v1(60.77,48.39) CPU1.AA29 ; v1(60.77,48.39) CPU1.Y30 v1(61.56,48.39) ; CPU1.Y29 v1(60.77,49.15) ; CPU1.Y29 v1(61.56,48.39) ; v1(60.77,49.15) CPU1.AA27 v1(59.99,49.15) ; v1(60.77,49.15) CPU1.AA29 ; v1(62.34,49.15) CPU1.U29 ; CPU1.AA29 v1(59.99,49.15) ; v1(59.99,49.15) CPU1.AC27 v1(59.2,49.15) ; v1(59.2,49.15) CPU1.AD27 v1(58.42,49.15)
  TOP w0.406: R89.2 29.59,50.55 30.24,49.9 33.29,49.9 33.4,49.78 v1(33.91,49.78)
  INT3(V) w0.406: v1(33.91,49.78) 32,47.88 32,41.15 34.16,38.99 36.96,38.99 v1(37.59,39.62)
  INT8(V) w0.406: v1(33.91,49.78) 32,47.88 32,41.15 34.16,38.99 36.96,38.99 v1(37.59,39.62)
  vias: v1(40.64,39.69) v1(40.64,39.05) v1(40.64,37.78) v1(40.64,37.15) v1(40.64,35.88) v1(40.64,35.24) v1(40.64,33.97) v1(40.64,33.34) v1(40.64,32.7) v1(40.64,32.07)
